# Allegro board 4Layer_Building.brd
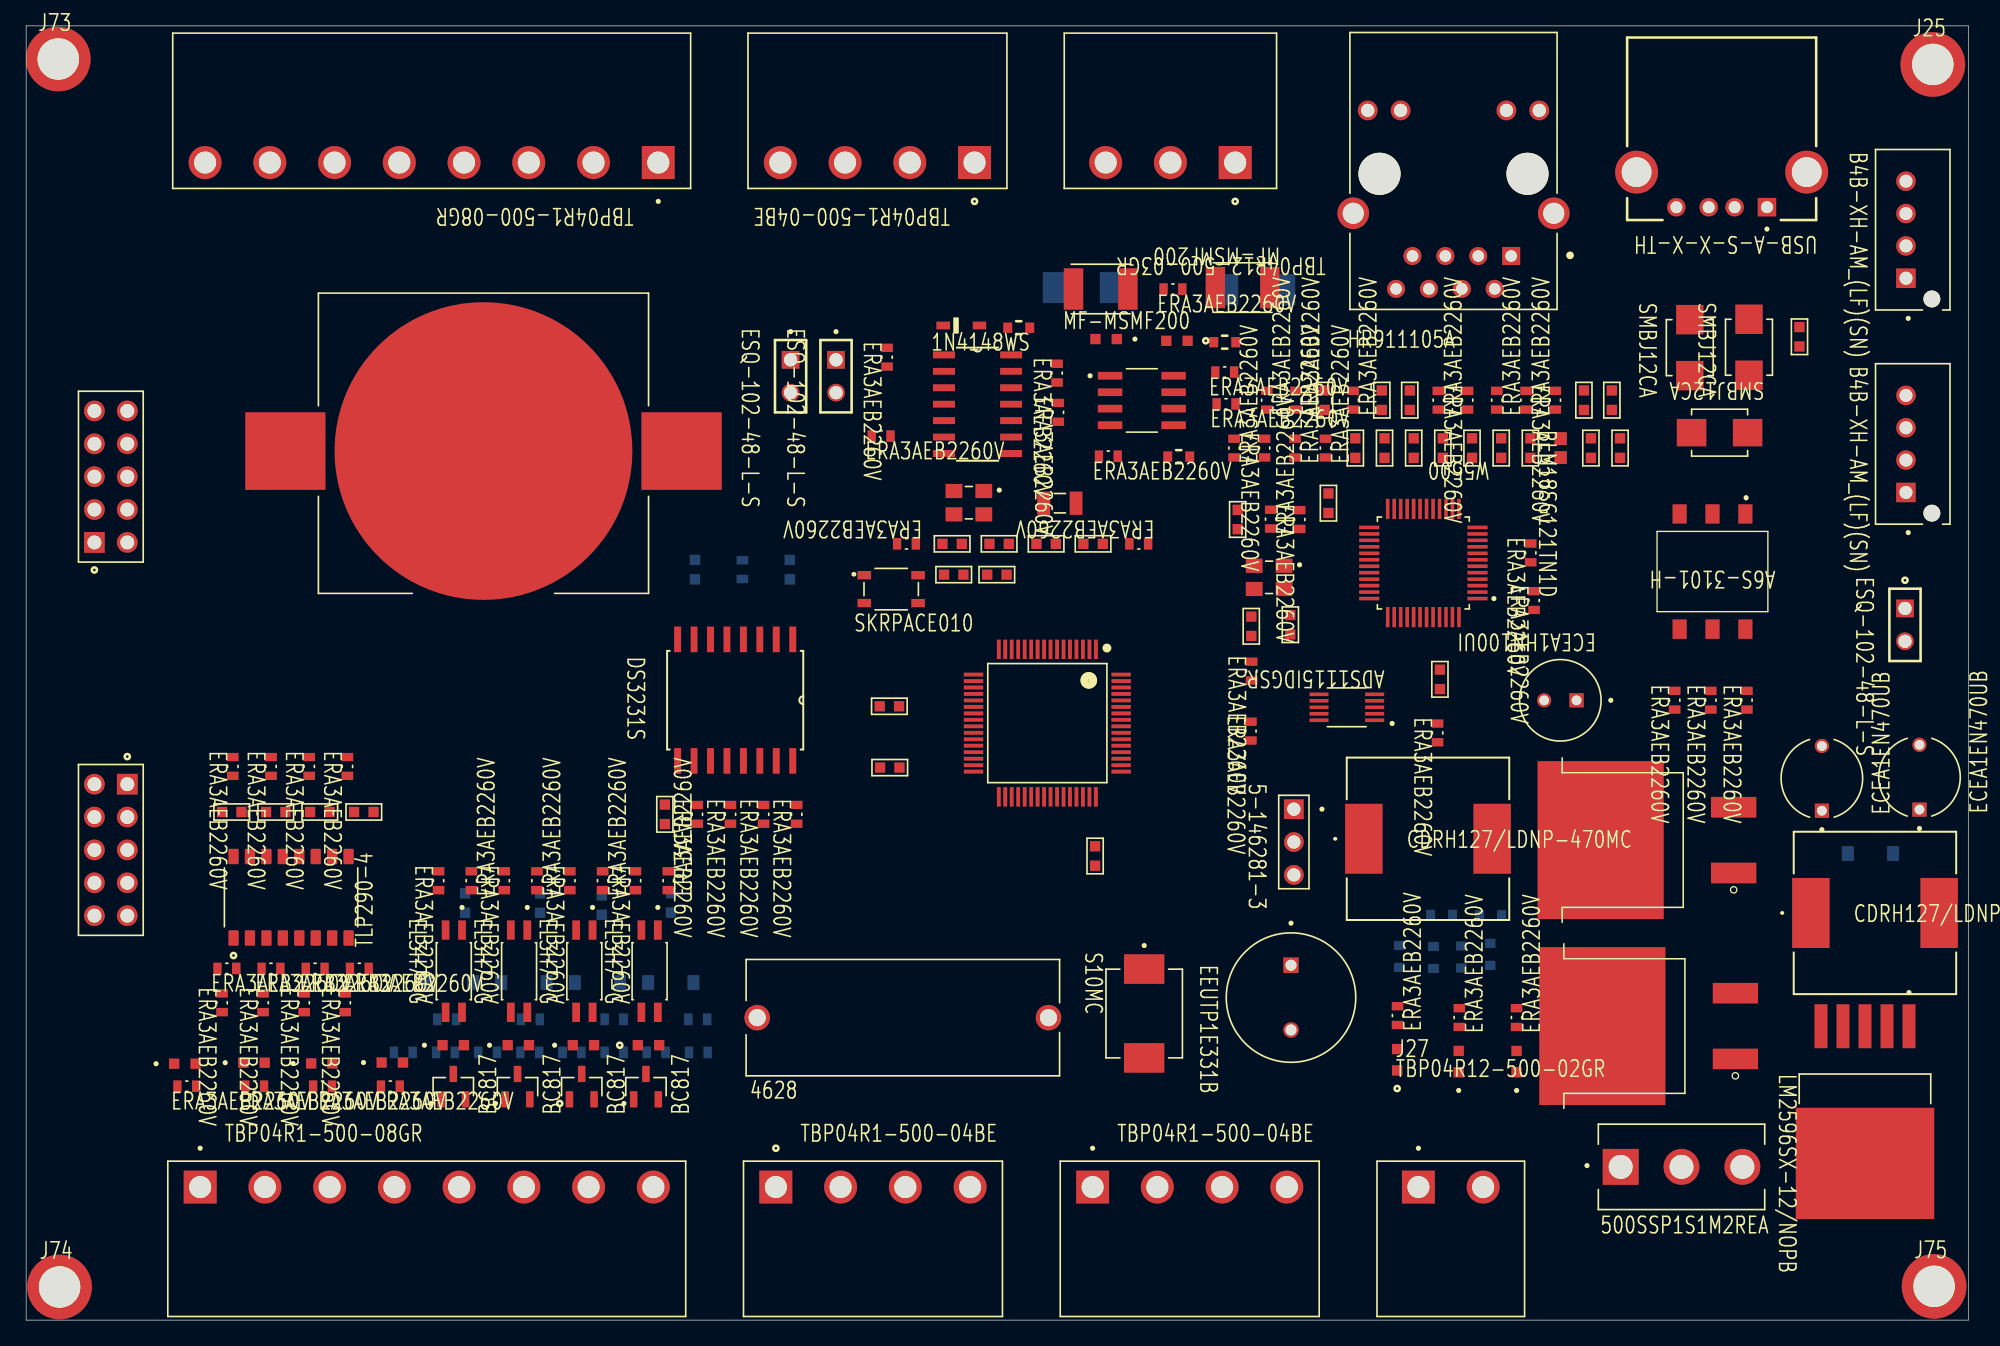
[diagram p0: board, top side]
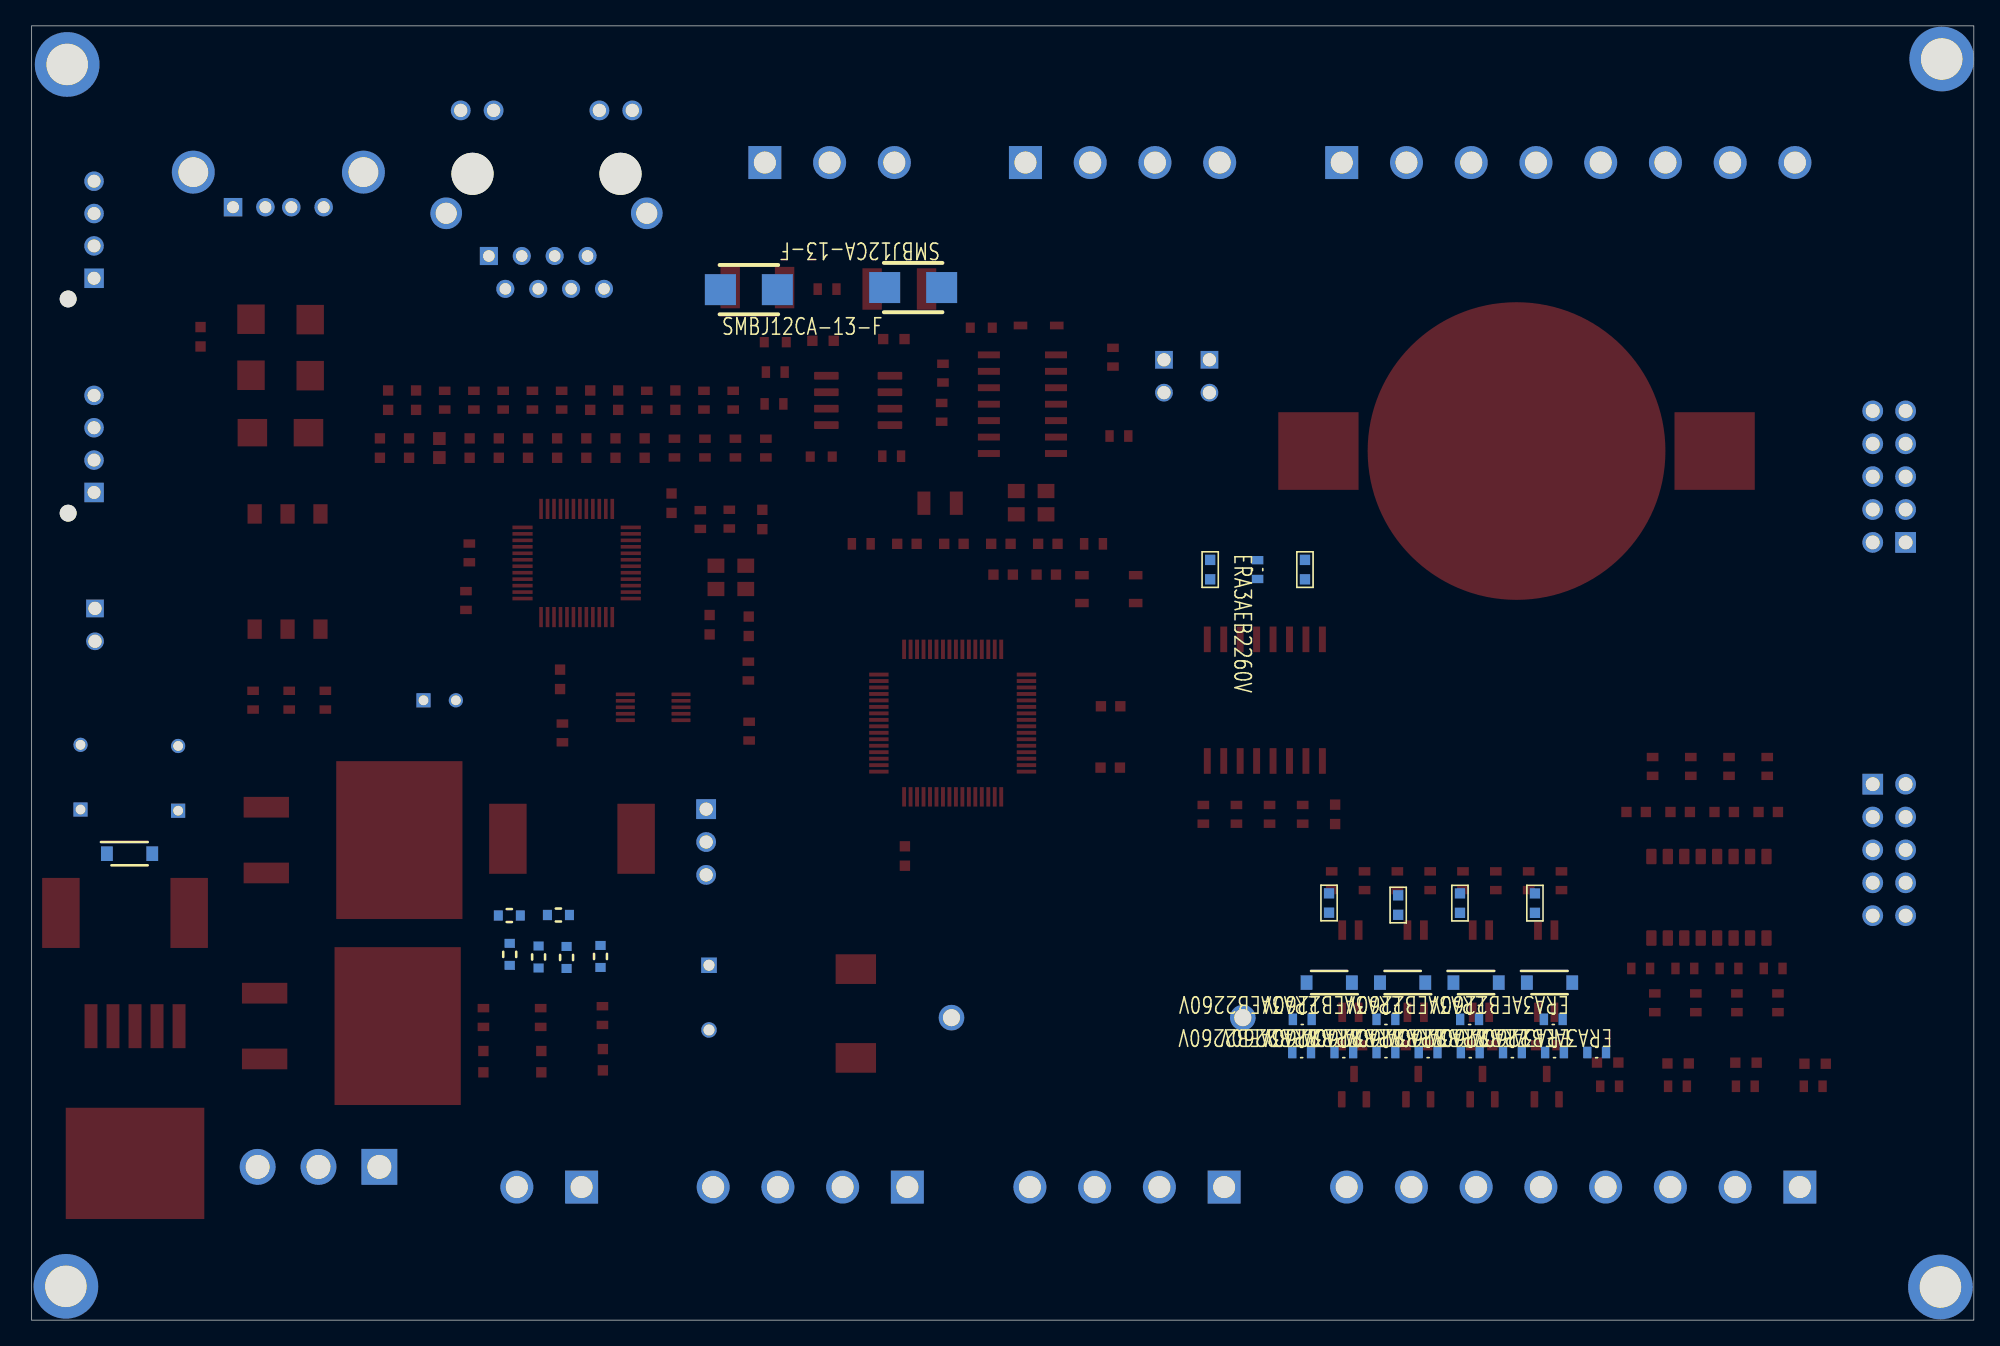
[diagram p1: board, bottom side, seen from below]

Outline 150 x 100 mm; copper layers: TOP, LYR2_GND, LYR3, LYR4, LYR5_PWR, BOTTOM. Coordinates in mm from the lower left corner of the outline.
Outline path: 0,100 0,0 150,0 150,100 0,100

## Design rules (mm)
constraint set DEFAULT: min track width 0.305
nets with their own width: min track width 0.305; nets 5V_MAIN

## Placement (name value [footprint] x y rotation side)
BT1  BAT HOLDER  [BAT_BAT-HLD-006-SMT]  35.32 67.15 0 top
C23  10uF 0603  [WCAP-CSGP_0603_W]  106.07 28.1 90 bottom
C24  220uF/16V  [CAPPRD500W50D630H1120]  138.69 41.86 90 top
C25  10uF 0603  [WCAP-CSGP_0603_W]  108.69 28.02 270 bottom
C30  1 uF 0603  [WCAP-CSGP_0603_W]  110.85 28.06 270 bottom
C31  1 uF 0603  [WCAP-CSGP_0603_W]  113.08 28.26 270 bottom
C51  0603  [CAPC0603X33N]  15.88 39.26 180 top
C52  0603  [CAPC0603X33N]  19.28 39.26 180 top
C53  0603  [CAPC0603X33N]  22.68 39.26 180 top
C54  0603  [CAPC0603X33N]  26.08 39.26 180 top
C59  104  [CAPC0603X33N]  33.9 32.22 90 bottom
C60  104  [CAPC0603X33N]  39.69 32.22 90 bottom
C62  104  [CAPC0603X33N]  58.98 57.99 270 bottom
C63  104  [CAPC0603X33N]  51.66 57.99 270 bottom
C64  4.7uF  [CAPC0603X33N]  120.85 67.38 270 top
C65  10nF  [CAPC0603X33N]  123.1 67.38 90 top
C66  4.7uF  [CAPC0603X33N]  94.62 53.61 270 top
C67  4.7uF  [CAPC0603X33N]  93.57 61.86 270 top
C68  6.8nF  [CAPC0603X33N]  104.7 71.08 270 top
C69  6.8nF  [CAPC0603X33N]  100.29 71.08 90 top
C72  10uF  [CAPC0603X33N]  109.42 67.38 270 top
C73  100nF  [CAPC0603X33N]  107.16 67.38 270 top
C74  100nF  [CAPC0603X33N]  104.91 67.38 270 top
C75  100nF  [CAPC0603X33N]  102.66 67.38 270 top
C76  100nF  [CAPC0603X33N]  111.67 67.38 270 top
C77  100nF  [CAPC0603X33N]  113.92 67.38 270 top
C78  100nF  [CAPC0603X33N]  116.18 67.38 270 top
C79  10nF  [CAPC0603X33N]  122.47 71.08 90 top
C80  22nF  [CAPC0603X33N]  106.86 71.08 90 top
C81  18pF  [CAPC0603X33N]  100.58 63.12 90 top
C82  18pF  [CAPC0603X33N]  97.64 53.73 90 top
C95  10uF  [CAPC0603X33N]  136.96 75.98 270 top
C110  0.1uF  [CAPC0603X33N]  109.19 49.51 270 top
C111  100nF  [CAPC0603X33N]  49.33 39.08 90 top
C141  10uF 16V  [CAPPRD250W50D630H1120]  118.49 47.89 180 top
C142  1nF 2KV  [CAPC0603X33N]  120.31 71.08 270 top
C153  1 uF 0603  [WCAP-CSGP_0603_W]  109.32 31.3 0 bottom
C154  1 uF 0603  [WCAP-CSGP_0603_W]  113.11 31.26 180 bottom
C155  4.7uF  [CAPC0603X33N]  66.67 47.43 180 top
C156  100nF  [CAPC0603X33N]  74.97 57.6 0 top
C160  100nF  [CAPC0603X33N]  71.64 57.6 180 top
C161  20pF  [CAPC0603X33N]  75.15 59.98 180 top
C162  20pF  [CAPC0603X33N]  71.52 59.98 180 top
C163  4.3pF  [CAPC0603X33N]  78.77 59.98 180 top
C164  4.3pF  [CAPC0603X33N]  82.4 59.98 0 top
C165  104  [CAPC0603X33N]  44.46 32.07 90 bottom
C168  104  [CAPC0603X33N]  49.8 32.23 90 bottom
C169  100nF  [CAPC0603X33N]  82.56 35.86 90 top
C170  100nF  [CAPC0603X33N]  66.7 42.69 0 top
C171  10uF 0603  [WCAP-CSGP_0603_W]  92.57 75.56 0 top
C172  0.1uF  [WCAP-CSGP_0603_W]  76.66 76.68 0 top
C173  0.1uF  [WCAP-CSGP_0603_W]  89.02 66.72 0 top
C174  680uF/25V/10x13  [CAPPRD500W60D1000H1600]  97.69 24.92 270 top
C175  220uF/16V  [CAPPRD500W50D630H1120]  146.23 41.95 90 top
D6  1N4007W-T  [SODFL3818X130N]  142.44 36.04 180 bottom
D10  TVS_SMBJ12CA  [DIOM4336X265N]  130.79 68.57 180 top
D11  TVS_SMBJ12CA  [DIOM4336X265N]  133.06 75.17 270 top
D12  TVS_SMBJ12CA  [DIOM4336X265N]  128.49 75.14 270 top
D27  0603  [LED_KP-1608SURCK]  12.26 19.81 0 top
D28  0603  [LED_KP-1608SURCK]  17.6 19.89 0 top
D29  0805  [LED_KP-1608SURCK]  22.84 19.83 0 top
D30  0603  [LED_KP-1608SURCK]  28.28 19.9 0 top
D35  0603  [LED_KP-1608SURCK]  32.98 21.24 0 top
D36  1N4007W-T  [SODFL3818X130N]  32.77 26.08 180 bottom
D37  1N4007W-T  [SODFL3818X130N]  38.44 26.08 180 bottom
D38  0603  [LED_KP-1608SURCK]  38.01 21.24 0 top
D105  0603  [LED_KP-1608SURCK]  115.11 19.97 90 top
D106  0603  [LED_KP-1608SURCK]  105.89 20.12 90 top
D108  0603  [LED_KP-1608SURCK]  110.64 19.97 90 top
D109  1N4007W-T  [SODFL3818X130N]  44.12 26.08 0 bottom
D110  0603  [LED_KP-1608SURCK]  43.04 21.24 0 top
D111  1N4007W-T  [SODFL3818X130N]  49.79 26.08 0 bottom
D112  0603  [LED_KP-1608SURCK]  48.07 21.24 0 top
D115  1N4148  [SODFL2512X100N]  72.23 76.85 0 top
D116  TX LED  [LED_KP-1608SURCK]  88.88 75.67 180 top
D117  RX LED  [LED_KP-1608SURCK]  83.41 75.8 180 top
D118  TVS  [SMB_NOPOL]  81.92 79.78 0 bottom
D119  TVS  [SMB_NOPOL]  94.61 79.62 180 bottom
D121  S10MC  [DIOM6859X262N]  86.35 23.69 270 top
F4  1812  [FUSER_MF-MSMF200]  82.99 79.67 0 top
F5  1812  [FUSER_MF-MSMF200]  93.95 79.78 180 top
F8  4628  [FUSE_4628]  67.71 23.37 0 top
FL4  Ferri Bread  [BEADC1608X65N]  118.51 67.38 270 top
J10  HR911105A  [HANRUN_HR911105A]  110.24 88.57 0 top
J22  5-146281-3  [TE_5-146281-3]  97.91 36.94 270 top
J23  GPIO_12V  [CUI_TBP04R1-500-08GR]  13.44 10.28 0 top
J24  ADC_MCU  [CUI_TBP04R1-500-08GR]  48.82 89.44 180 top
J25  TMS-101-21-G-S  [SAMTEC_TMS-101-21-G-S]  147.26 97.02 0 top
J26  ADC16BIT  [CUI_TBP04R1-500-04BE]  73.25 89.44 180 top
J27  POWER  [CUI_TBP04R12-500-02GR]  107.53 10.28 0 top
J28  RS485  [CUI_TBP04R12-500-03GR]  93.37 89.44 180 top
J62  UART  [CUI_TBP04R1-500-04BE]  82.37 10.28 0 top
J66  USB-A-S-X-X-TH  [SAMTEC_USB-A-S-X-X-TH]  130.95 88.7 180 top
J67  ESQ-102-48-L-S  [SAMTEC_ESQ-102-48-L-S]  59.04 74.2 270 top
J68  ESQ-102-48-L-S  [SAMTEC_ESQ-102-48-L-S]  62.55 74.2 270 top
J69  5V_3V3  [CUI_TBP04R1-500-04BE]  57.9 10.28 0 top
J71  FAN 12V  [SAMTEC_ESQ-102-48-L-S]  145.11 54.99 270 top
J72  LCD 12864  [VALCON_V06-2X5-SV-GF-1]  6.54 65.17 270 top
J73  TMS-101-21-G-S  [SAMTEC_TMS-101-21-G-S]  2.48 97.44 0 top
J74  TMS-101-21-G-S  [SAMTEC_TMS-101-21-G-S]  2.58 2.56 0 top
J75  TMS-101-21-G-S  [SAMTEC_TMS-101-21-G-S]  147.36 2.61 0 top
J76  JTAG  [VALCON_V06-2X5-SV-GF-1]  6.54 36.33 90 top
J77  B4B-XH-AM_LFSN  [JST_B4B-XH-AM_LFSN]  145.71 67.7 270 top
J78  B4B-XH-AM_LFSN  [JST_B4B-XH-AM_LFSN]  145.71 84.25 270 top
L1  33uH  [IND_CDRH127LDNP-470MC_SUM]  142.79 31.46 0 top
L2  33uH  [IND_CDRH127LDNP-470MC_SUM]  108.27 37.19 0 top
Q3  BC817  [SOT95P230X110-3N]  32.99 18.04 90 top
Q4  BC817  [SOT95P230X110-3N]  37.95 18.04 90 top
Q6  BC817  [SOT95P230X110-3N]  42.91 18.04 90 top
Q7  BC817  [SOT95P230X110-3N]  47.87 18.04 90 top
R2  10K  [RESC1508X55N]  94.59 45.51 270 top
R3  10K  [RESC1508X55N]  94.65 50.15 270 top
R4  10K  [RESC1508X55N]  109.01 45.37 270 top
R17  4K7  [RESC1508X55N]  12.41 18.07 0 top
R18  4K7  [RESC1508X55N]  17.65 18.07 0 top
R19  4K7  [RESC1508X55N]  22.89 18.07 0 top
R20  4K7  [RESC1508X55N]  28.13 18.07 0 top
R21  4K7  [RESC1508X55N]  15.96 42.78 270 top
R22  4K7  [RESC1508X55N]  18.91 42.78 270 top
R23  4K7  [RESC1508X55N]  21.86 42.78 270 top
R24  4K7  [RESC1508X55N]  24.81 42.78 270 top
R25  4K3  [RESC1508X55N]  15.13 24.52 270 top
R26  510  [RESC1508X55N]  15.5 27.17 0 top
R27  4K3  [RESC1508X55N]  18.3 24.52 270 top
R28  510  [RESC1508X55N]  18.91 27.17 0 top
R29  4K3  [RESC1508X55N]  21.47 24.52 270 top
R30  510  [RESC1508X55N]  22.32 27.17 0 top
R31  4K3  [RESC1508X55N]  24.64 24.52 270 top
R32  510  [RESC1508X55N]  25.73 27.17 0 top
R49  100  [RESC1508X55N]  34.38 33.95 90 top
R50  1K  [RESC1508X55N]  31.85 33.95 270 top
R51  1K  [RESC1508X55N]  29.13 20.68 0 bottom
R52  4K7  [RESC1508X55N]  32.48 23.24 0 bottom
R53  4K7  [RESC1508X55N]  32.38 20.68 0 bottom
R54  100  [RESC1508X55N]  39.45 33.95 90 top
R55  1K  [RESC1508X55N]  35.64 20.68 0 bottom
R56  1K  [RESC1508X55N]  36.92 33.95 270 top
R57  4K7  [RESC1508X55N]  38.94 23.24 0 bottom
R58  4K7  [RESC1508X55N]  38.89 20.68 0 bottom
R64  10K  [RESC1508X55N]  56.95 39.08 270 top
R67  4K7  [RESC1508X55N]  100.35 67.38 90 top
R68  4K7  [RESC1508X55N]  95.82 71.08 90 top
R69  12K4  [RESC1508X55N]  116.46 55.6 270 top
R70  4K7  [RESC1508X55N]  93.3 67.38 90 top
R71  330  [RESC1508X55N]  98.36 61.86 270 top
R72  330  [RESC1508X55N]  95.65 67.38 270 top
R73  49R9  [RESC1508X55N]  115.85 71.08 90 top
R74  49R9  [RESC1508X55N]  113.59 71.08 90 top
R75  10K  [RESC1508X55N]  109.07 71.08 90 top
R76  33  [RESC1508X55N]  111.33 71.08 270 top
R77  33  [RESC1508X55N]  118.1 71.08 270 top
R78  33  [RESC1508X55N]  102.5 71.08 90 top
R79  33  [RESC1508X55N]  116.2 59.28 270 top
R80  49R9  [RESC1508X55N]  98.08 71.08 90 top
R81  49R9  [RESC1508X55N]  98 67.38 90 top
R82  1M  [RESC1508X55N]  96.12 61.89 90 top
R168  4K7  [RESC1508X55N]  54.39 39.08 270 top
R169  4K7  [RESC1508X55N]  51.84 39.08 270 top
R224  1K5  [RESC1508X55N]  115.11 23.38 90 top
R225  2K2  [RESC1508X55N]  105.92 23.53 90 top
R227  1K5  [RESC1508X55N]  110.69 23.38 90 top
R233  4K7  [RESC1508X55N]  67.99 59.98 180 top
R234  10K  [RESC1508X55N]  85.93 59.98 180 top
R235  4K7  [RESC1508X55N]  132.9 47.9 270 top
R236  4K7  [RESC1508X55N]  130.11 47.9 270 top
R237  4K7  [RESC1508X55N]  127.32 47.9 270 top
R238  100  [RESC1508X55N]  44.52 33.95 90 top
R239  1K  [RESC1508X55N]  42.15 20.68 0 bottom
R240  1K  [RESC1508X55N]  41.99 33.95 270 top
R241  4K7  [RESC1508X55N]  45.41 23.24 0 bottom
R242  4K7  [RESC1508X55N]  45.4 20.68 0 bottom
R243  100  [RESC1508X55N]  49.59 33.95 90 top
R244  1K  [RESC1508X55N]  48.66 20.68 0 bottom
R245  1K  [RESC1508X55N]  47.06 33.95 270 top
R246  4K7  [RESC1508X55N]  51.87 23.24 0 bottom
R247  4K7  [RESC1508X55N]  51.91 20.68 0 bottom
R249  4K7  [RESC1508X55N]  55.32 57.99 270 bottom
R250  10K  [RESC1508X55N]  59.51 39.08 270 top
R253  120  [RESC1508X55N]  88.57 79.66 0 top
R256  53K  [RESC1508X55N]  79.72 70.14 270 top
R257  2K4  [RESC1508X55N]  79.62 73.17 270 top
R258  4K6  [RESC1508X55N]  83.58 66.75 0 top
R259  2K4  [RESC1508X55N]  66.03 68.31 0 top
R260  4K6  [RESC1508X55N]  66.49 74.4 270 top
R261  4K6  [RESC1508X55N]  92.57 73.25 0 top
R262  4K6  [RESC1508X55N]  92.67 70.79 0 top
S4  4.2x3.3mm  [SW_SKRPACE010]  66.81 56.48 0 top
S5  SW  [SW_500SSP1S1M2REA]  127.85 11.84 0 top
S15  DIP2.54  [A6S3104H]  130.24 57.84 180 top
U2  -  [LD1085D2T33R]  125.18 37.09 180 top
U8  TLP290-4  [OPTO_TLP290-4]  20.46 32.67 90 top
U10  EL3H7-G  [SOIC127P700X200-4N]  33.03 26.96 270 top
U11  EL3H7-G  [SOIC127P700X200-4N]  38.07 26.96 270 top
U13  DS3231S  [SOIC127P1032X265-16N]  54.76 47.9 270 top
U14  W5500  [QFP50P900X900X160-48N]  107.91 58.5 180 top
U33  -  [LD1085D2T33R]  125.31 22.72 180 top
U34  STM32F411RET6  [QFP50P1200X1200X160-64N]  78.87 46.13 270 top
U37  EL3H7-G  [SOIC127P700X200-4N]  43.11 26.96 270 top
U38  EL3H7-G  [SOIC127P700X200-4N]  48.15 26.96 270 top
U39  74HC04D  [SOIC127P600X175-14N]  73.48 70.77 0 top
U40  MAX3485EESA+  [SOIC127P600X175-8N]  86.17 71.06 0 top
U44  ADS1115IDGSR  [ADS]  102 47.35 180 top
U45  LM2596SX-12NOPB  [VREG_LM2596SX-12NOPB]  142.02 12.11 270 top
Y6  3225/ Xtal 25Mhz  [XTAL_ECS-250-6-33B2-CTN-TR3]  96 57.39 180 top
Y11  3215 32.768Khz  [3215]  79.84 63.12 180 top
Y12  3225/ Xtal 8Mhz  [XTAL_ECS-250-6-33B2-CTN-TR3]  72.81 63.16 180 top

## Library data of the parts
BT1 = BAT-HLD-006-SMT
C23 C25 C30 C31 C153 C154 C171-C173 = GRM033C71C104KE14J_0
C24 C175 = ECEA1EN470UB_0
C51-C54 C59 C60 C62-C69 C72-C82 C95 C110 C111 C142 C155 C156 C160-C165 C168-C170 = GRM033C71C104KE14J
C141 = ECEA1HN100UI
C174 = EEUFK1V391
D6 D36 D37 D109 D111 = 1N4007W-T
D10-D12 = SMBJ12CA
D27-D30 D35 D38 D105 D106 D108 D110 D112 D116 D117 = KP-1608SURCK
D115 = 1N4148WS
D118 D119 = ZENER_BIDI
D121 = S10MC
F4 F5 = MF-MSMF200
F8 = 4628
FL4 = BLM18SG121TN1D
J10 = HR911105A
J22 = 5-146281-3
J23 J24 = TBP04R1-500-08GR
J25 J73 J74 = TMS-101-21-G-S_2
J26 J62 J69 = TBP04R1-500-04BE
J27 = TBP04R12-500-02GR
J28 = TBP04R12-500-03GR
J66 = USB-A-S-X-X-TH
J67 J68 = ESQ-102-48-L-S_0
J71 = ESQ-102-48-L-S_1
J72 J76 = V06-2X5-SV-GF-1
J75 = TMS-101-21-G-S
J77 J78 = B4B-XH-AM_LFSN
L1 L2 = IND
Q3 Q4 Q6 Q7 = BC817
R2-R4 R17-R32 R49-R58 R64 R67-R82 R168 R169 R224 R225 R227 R233-R247 R249 R250 R253 R256-R262 = 6-1879417-7_0
S4 = SKRPACE010
S5 = 500SSP1S1M2REA
S15 = A6S-3101-H
U2 U33 = LD1085D2T33R
U8 = TLP290-4
U10 U11 U37 U38 = EL3H7-G
U13 = DS3231S
U14 = W5500_0
U34 = STM32F411RET6
U39 = 74HC04D
U40 = MAX3485EESA+
U44 = ADS1115IDGSR
U45 = LM2596SX-12NOPB
Y6 Y12 = ECS-250-6-33B2-CTN-TR3
Y11 = CM7V-T1A-LOW-ESR-32768KHZ-6PF

## Footprints (pads in the part's own frame, mm; a bottom-side part is the same pattern mirrored in y, then rotated)
3215
  rect 1x1.8 smd: 1(-1.25,0) 2(1.25,0)
A6S3104H
  rect 1.1x1.5 smd: 1(-2.54,-4.45) 2(-2.54,4.45) 3(0,-4.45) 4(0,4.45) 5(2.54,-4.45) 6(2.54,4.45)
ADS
  custom 1.47x0.28 smd: 1(-2.15,1) 2(-2.15,0.5) 3(-2.15,0) 4(-2.15,-0.5) 5(-2.15,-1) 6(2.15,-1) 7(2.15,-0.5) 8(2.15,0) 9(2.15,0.5) 10(2.15,1)
BAT_BAT-HLD-006-SMT
  round 23 smd: N(0,0)
  rect 6.2x6 smd: P1(-15.3,0) P2(15.3,0)
BEADC1608X65N
  rect 1x0.97 smd: 1(-0.735,0) 2(0.735,0)
CAPC0603X33N
  rect 0.8x0.8 smd: 1(-0.75,0) 2(0.75,0)
CAPPRD250W50D630H1120
  round 1.1 hole 0.75: N(1.25,0)
  rect 1.1x1.1 hole 0.75: P(-1.25,0)
CAPPRD500W50D630H1120
  round 1.1 hole 0.75: N(2.5,0)
  rect 1.1x1.1 hole 0.75: P(-2.5,0)
CAPPRD500W60D1000H1600
  round 1.2 hole 0.85: N(2.5,0)
  rect 1.2x1.2 hole 0.85: P(-2.5,0)
CUI_TBP04R1-500-04BE
  rect 2.55x2.55 hole 1.7: 1(0,0)
  round 2.55 hole 1.7: 2(5,0) 3(10,0) 4(15,0)
CUI_TBP04R1-500-08GR
  rect 2.55x2.55 hole 1.7: 1(0,0)
  round 2.55 hole 1.7: 2(5,0) 3(10,0) 4(15,0) 5(20,0) 6(25,0) 7(30,0) 8(35,0)
CUI_TBP04R12-500-02GR
  rect 2.55x2.55 hole 1.7: 1(0,0)
  round 2.55 hole 1.7: 2(5,0)
CUI_TBP04R12-500-03GR
  rect 2.55x2.55 hole 1.7: 1(0,0)
  round 2.55 hole 1.7: 2(5,0) 3(10,0)
DIOM4336X265N
  rect 2.28x2.12 smd: 1(-2.165,0) 2(2.165,0)
DIOM6859X262N
  rect 2.29x3.12 smd: A(3.43,0) C(-3.43,0)
FUSE_4628
  round 1.98 hole 1.32: 1(-11.25,0) 2(11.25,0)
FUSER_MF-MSMF200
  rect 1.5x3.2 smd: 1(-2.1,0) 2(2.1,0)
HANRUN_HR911105A
  round 3.25 hole 3.25 unplated: (-5.715,0) (5.715,0)
  rect 1.398x1.398 hole 0.89: 1(4.45,-6.35)
  round 1.398 hole 0.89: 2(3.18,-8.89) 3(1.91,-6.35) 4(0.64,-8.89) 5(-0.63,-6.35) 6(-1.9,-8.89) 7(-3.17,-6.35) 8(-4.44,-8.89)
  round 1.53 hole 1.02: 9(6.625,4.9) 10(4.085,4.9) 11(-4.085,4.9) 12(-6.625,4.9)
  round 2.445 hole 1.63: 15(7.745,-3.05) 16(-7.745,-3.05)
IND_CDRH127LDNP-470MC_SUM
  rect 2.896x5.41 smd: 1(-4.953,0) 2(4.953,0)
JST_B4B-XH-AM_LFSN
  round 1.3 hole 1.3 unplated: (5.35,1.475)
  rect 1.508x1.508 hole 1: 1(3.75,-0.525)
  round 1.508 hole 1: 2(1.25,-0.525) 3(-1.25,-0.525) 4(-3.75,-0.525)
LD1085D2T33R
  rect 3.5x1.6 smd: 1(-6.7,2.54) 2(-6.7,-2.54)
  rect 9.75x12.2 smd: 3(3.575,0)
LED_KP-1608SURCK
  rect 0.8x0.8 smd: 1(0.825,0) 2(-0.825,0)
OPTO_TLP290-4
  custom 1.2x0.8 smd: 1(-3.15,4.445) 2(-3.15,3.175) 3(-3.15,1.905) 4(-3.15,0.635) 5(-3.15,-0.635) 6(-3.15,-1.905) 7(-3.15,-3.175) 8(-3.15,-4.445) 9(3.15,-4.445) 10(3.15,-3.175) 11(3.15,-1.905) 12(3.15,-0.635) 13(3.15,0.635) 14(3.15,1.905) 15(3.15,3.175) 16(3.15,4.445)
QFP50P900X900X160-48N
  rect 1.56x0.28 smd: 1(-4.18,2.75) 2(-4.18,2.25) 3(-4.18,1.75) 4(-4.18,1.25) 5(-4.18,0.75) 6(-4.18,0.25) 7(-4.18,-0.25) 8(-4.18,-0.75) 9(-4.18,-1.25) 10(-4.18,-1.75) 11(-4.18,-2.25) 12(-4.18,-2.75) 25(4.18,-2.75) 26(4.18,-2.25) 27(4.18,-1.75) 28(4.18,-1.25) 29(4.18,-0.75) 30(4.18,-0.25) 31(4.18,0.25) 32(4.18,0.75) 33(4.18,1.25) 34(4.18,1.75) 35(4.18,2.25) 36(4.18,2.75)
  rect 0.28x1.56 smd: 13(-2.75,-4.18) 14(-2.25,-4.18) 15(-1.75,-4.18) 16(-1.25,-4.18) 17(-0.75,-4.18) 18(-0.25,-4.18) 19(0.25,-4.18) 20(0.75,-4.18) 21(1.25,-4.18) 22(1.75,-4.18) 23(2.25,-4.18) 24(2.75,-4.18) 37(2.75,4.18) 38(2.25,4.18) 39(1.75,4.18) 40(1.25,4.18) 41(0.75,4.18) 42(0.25,4.18) 43(-0.25,4.18) 44(-0.75,4.18) 45(-1.25,4.18) 46(-1.75,4.18) 47(-2.25,4.18) 48(-2.75,4.18)
QFP50P1200X1200X160-64N
  rect 1.5x0.3 smd: 1(-5.7,3.75) 2(-5.7,3.25) 3(-5.7,2.75) 4(-5.7,2.25) 5(-5.7,1.75) 6(-5.7,1.25) 7(-5.7,0.75) 8(-5.7,0.25) 9(-5.7,-0.25) 10(-5.7,-0.75) 11(-5.7,-1.25) 12(-5.7,-1.75) 13(-5.7,-2.25) 14(-5.7,-2.75) 15(-5.7,-3.25) 16(-5.7,-3.75) 33(5.7,-3.75) 34(5.7,-3.25) 35(5.7,-2.75) 36(5.7,-2.25) 37(5.7,-1.75) 38(5.7,-1.25) 39(5.7,-0.75) 40(5.7,-0.25) 41(5.7,0.25) 42(5.7,0.75) 43(5.7,1.25) 44(5.7,1.75) 45(5.7,2.25) 46(5.7,2.75) 47(5.7,3.25) 48(5.7,3.75)
  rect 0.3x1.5 smd: 17(-3.75,-5.7) 18(-3.25,-5.7) 19(-2.75,-5.7) 20(-2.25,-5.7) 21(-1.75,-5.7) 22(-1.25,-5.7) 23(-0.75,-5.7) 24(-0.25,-5.7) 25(0.25,-5.7) 26(0.75,-5.7) 27(1.25,-5.7) 28(1.75,-5.7) 29(2.25,-5.7) 30(2.75,-5.7) 31(3.25,-5.7) 32(3.75,-5.7) 49(3.75,5.7) 50(3.25,5.7) 51(2.75,5.7) 52(2.25,5.7) 53(1.75,5.7) 54(1.25,5.7) 55(0.75,5.7) 56(0.25,5.7) 57(-0.25,5.7) 58(-0.75,5.7) 59(-1.25,5.7) 60(-1.75,5.7) 61(-2.25,5.7) 62(-2.75,5.7) 63(-3.25,5.7) 64(-3.75,5.7)
RESC1508X55N
  rect 0.65x0.9 smd: 1(-0.725,0) 2(0.725,0)
SAMTEC_ESQ-102-48-L-S
  rect 1.37x1.37 hole 1.02: 01(0,0)
  round 1.37 hole 1.02: 02(2.54,0)
SAMTEC_TMS-101-21-G-S
  round 5 hole 3.2: 03(0,0)
SAMTEC_USB-A-S-X-X-TH
  rect 1.428x1.428 hole 0.92: 01(-3.5,2.71)
  round 1.428 hole 0.92: 02(-1,2.71) 03(1,2.71) 04(3.5,2.71)
  round 3.316 hole 2.3: S1(-6.57,0) S2(6.57,0)
SMB_NOPOL
  rect 2.4x2.4 smd: A(2.2,0) C(-2.2,0)
SODFL2512X100N
  rect 1.05x0.6 smd: A(1.4,0) C(-1.4,0)
SODFL3818X130N
  rect 0.92x1.13 smd: 1(-1.75,0) 2(1.75,0)
SOIC127P600X175-8N
  custom 1.9x0.6 smd: 1(-2.455,1.905) 2(-2.455,0.635) 3(-2.455,-0.635) 4(-2.455,-1.905) 5(2.455,-1.905) 6(2.455,-0.635) 7(2.455,0.635) 8(2.455,1.905)
SOIC127P600X175-14N
  rect 1.702x0.533 smd: 1(-2.591,3.81) 2(-2.591,2.54) 3(-2.591,1.27) 4(-2.591,0) 5(-2.591,-1.27) 6(-2.591,-2.54) 7(-2.591,-3.81) 8(2.591,-3.81) 9(2.591,-2.54) 10(2.591,-1.27) 11(2.591,0) 12(2.591,1.27) 13(2.591,2.54) 14(2.591,3.81)
SOIC127P700X200-4N
  rect 1.5x0.6 smd: 1(-3.175,0.635) 2(-3.175,-0.635) 3(3.175,-0.635) 4(3.175,0.635)
SOIC127P1032X265-16N
  rect 1.981x0.533 smd: 1(-4.699,4.445) 2(-4.699,3.175) 3(-4.699,1.905) 4(-4.699,0.635) 5(-4.699,-0.635) 6(-4.699,-1.905) 7(-4.699,-3.175) 8(-4.699,-4.445) 9(4.699,-4.445) 10(4.699,-3.175) 11(4.699,-1.905) 12(4.699,-0.635) 13(4.699,0.635) 14(4.699,1.905) 15(4.699,3.175) 16(4.699,4.445)
SOT95P230X110-3N
  custom 1.26x0.59 smd: 1(-0.98,0.95) 2(-0.98,-0.95) 3(0.98,0)
SW_500SSP1S1M2REA
  rect 2.775x2.775 hole 1.85: 1(-4.7,0)
  round 2.775 hole 1.85: 2(0,0) 3(4.7,0)
SW_SKRPACE010
  rect 1.05x0.65 smd: 1(-2.075,1.075) 2(2.075,1.075) 3(-2.075,-1.075) 4(2.075,-1.075)
TE_5-146281-3
  rect 1.53x1.53 hole 1.02: 1(-2.54,0)
  round 1.53 hole 1.02: 2(0,0) 3(2.54,0)
VALCON_V06-2X5-SV-GF-1
  rect 1.605x1.605 hole 1.07: 1(5.08,-1.27)
  round 1.605 hole 1.07: 2(5.08,1.27) 3(2.54,-1.27) 4(2.54,1.27) 5(0,-1.27) 6(0,1.27) 7(-2.54,-1.27) 8(-2.54,1.27) 9(-5.08,-1.27) 10(-5.08,1.27)
VREG_LM2596SX-12NOPB
  rect 3.4x1 smd: 1(-10.6,3.4) 2(-10.6,1.7) 3(-10.6,0) 4(-10.6,-1.7) 5(-10.6,-3.4)
  rect 8.6x10.7 smd: 6(0,0)
WCAP-CSGP_0603_W
  rect 0.7x0.8 smd: 1(-0.85,0) 2(0.85,0)
XTAL_ECS-250-6-33B2-CTN-TR3
  rect 1.3x1.1 smd: 1(-1.15,-0.9) 2(1.15,-0.9) 3(1.15,0.9) 4(-1.15,0.9)

## Nets
3V3: C110.2 R2.1 R3.1 R4.1 U44.8(VDD)
3V3_MCU: C31.2 C175.P J76.7 J76.8 R227.2 U2.3(OUT)
3V3A: C72.2 C73.2 C74.2 C75.2 C76.2 C77.2 C78.2 C141.P FL4.2 R73.1 R74.1 R75.1 U14.4 U14.8 U14.11 U14.15 U14.17 U14.21
3V3D: C62.2 C63.2 C66.1 C67.1 C154.2 C171.1 C173.2 FL4.1 J10.9 J10.12 J69.4 J72.4 R17.1 R18.1 R19.1 R20.1 R21.1 R22.1 R23.1 R24.1 R64.2 R67.2 R68.2 R70.2 R168.2 R169.2 R224.2 R249.2 R250.2 R258.2 R260.1 R262.2 S15.1 S15.3 S15.5 U13.2 U14.28 U33.3(OUT) U39.14(VCC) U40.8(VCC)
5V_MAIN: C24.P C25.2 C30.2 C95.1 C153.2 D10.1 J66.01(VCC) J69.2 J72.1 J78.1 J78.2 J78.3 J78.4 L1.1 R225.2 U2.2 U33.2 U45.4
12V: D36.1(K) D37.1(K) D109.1(K) D111.1(K) D121.C(K) F8.1 J22.1 J71.01 Q3.3 Q4.3 Q6.3 Q7.3 S5.1 U10.4 U11.4 U37.4 U38.4
GND: BT1.N(-) C23.1 C24.N C25.1 C30.1 C31.1 C59.1 C60.1 C62.1 C63.1 C64.1 C65.2 C66.2 C67.2 C72.1 C73.1 C74.1 C75.1 C76.1 C77.1 C78.1 C79.1 C80.1 C81.2 C82.2 C95.2 C110.1 C111.1 C141.N C142.2 C153.1 C154.1 C165.1 C168.1 C171.2 C172.2 C173.1 C174.N C175.N D6.2 D10.2 D11.2 D12.2 D35.2(C) D38.2(C) D105.2(C) D106.2(C) D108.2(C) D110.2(C) D112.2(C) D116.2(C) D117.2(C) D118.A D119.A D121.A J22.3 J28.2 J66.04 J69.1 J69.3 J71.02 J72.2 J76.5 J76.6 J77.1 J77.2 J77.3 J77.4 R52.2 R53.2 R57.2 R58.2 R69.2 R235.2 R236.2 R237.2 R241.2 R242.2 R246.2 R247.2 R261.2 U2.1 U10.2 U11.2 U13.5 U13.6 U13.7 U13.8 U13.9 U13.10 U13.11 U13.12 U13.13 U14.3 U14.9 U14.14 U14.16 U14.19 U14.29 U14.48 U33.1 U37.2 U38.2 U39.7 U40.5 U44.3 U45.3 U45.5 U45.6 Y6.2 Y6.4
GND_692502: C155.1 C156.1 C160.1 C161.1 C162.1 C163.1 C164.1 C169.1 C170.1 R234.2 S4.4 U34.12(VSSA/VREF-) U34.18 U34.31 U34.47 U34.63 Y12.2 Y12.4
VDD: C156.2 C169.2 C170.2 R233.2 U34.1 U34.13 U34.19 U34.32 U34.48 U34.64
VIN: C23.2 C174.P L2.1 U45.1(VIN)
1Y: R257.2 U39.2 U39.11
2A: U39.3 U39.8
3Y: R259.2 U39.6
4A: R258.1 U39.9 U40.1
5Y: D115.C R256.2 U39.10 U40.4
6A: C172.1 D115.A R256.1 U39.13
6Y: U39.12 U40.2 U40.3
30: C81.1 R82.2 U14.30 Y6.1
31: C82.1 R82.1 U14.31(XO) Y6.3(OUT/IN)
A: D118.C(2) F4.1 R253.1 R262.1 U40.6
ACTLED: R71.2 U14.27
ADC1_IN4: J24.5 U34.20
ADC1_IN6: U34.22
ADC1_IN10: J24.1 U34.8
ADC1_IN11: J24.2 U34.9
ADC1_IN12: J24.3 U34.10
ADC1_IN13: J24.4 U34.11
ADC1_IN14: J24.7 U34.24
ADC1_IN15: J24.8 U34.25
ADC1_IN16: J24.6
ADC_ADDR: U34.57 U44.1
ADC_SCL: R2.2 U34.58 U44.10
ADC_SDA: R3.2 U34.59 U44.9
AIN1: J26.2 U44.5
AIN2: J26.3 U44.6
AIN3: J26.4 U44.7
AINO: J26.1 U44.4
B: D119.C(2) F5.1 R253.2 R261.1 U40.7
BEEP: J72.10 U34.41
BOOT0: R234.1 U34.60
BUTTON1: J72.3 U34.50
BUTTON2: J72.5 U34.15
BUTTON3: J72.9 U34.27
CGND: C142.1 J10.8 J10.15 J10.16
ETHERNET_CS: R70.1 U14.32 U34.33
ETHERNET_INTN: R68.1 U14.36 U34.55
ETHERNET_MISO: U14.34 U34.35
ETHERNET_MOSI: U14.35 U34.36
ETHERNET_RTSN: R67.1 U14.37 U34.56
ETHERNET_SCK: U14.33 U34.34
GPIO_INPUT_1: C54.2 D30.2(C) R24.2 U8.10 U34.28
GPIO_INPUT_2: C53.2 D29.2(C) R23.2 U8.12 U34.39
GPIO_INPUT_3: C52.2 D28.2(C) R22.2 U8.14 U34.40
GPIO_INPUT_4: C51.2 D27.2(C) R21.2 U8.16 U34.51
GPIO_OUTPUT_1: C59.2 R49.2 R50.1 U34.52
GPIO_OUTPUT_2: C60.2 R54.2 R56.1 U34.53
GPIO_OUTPUT_3: C165.2 R238.2 R240.1 U34.54
GPIO_OUTPUT_4: C168.2 R243.2 R245.1 U34.2
H_GND: J27.1
I2C2_SCL: R168.1 U13.16 U34.29
I2C2_SDA: R169.1 U13.15 U34.62
INT_DS3231: R64.1 U13.3 U34.26
LINKLED: R72.2 U14.25
N_GPIO_INPUT_1: J23.1 R26.2 U8.2
N_GPIO_INPUT_2: J23.2 R28.2 U8.4
N_GPIO_INPUT_3: J23.3 R30.2 U8.6
N_GPIO_INPUT_4: J23.4 R32.2 U8.8
N_GPIO_OUTPUT_1: D36.2 J23.5 Q3.2(E) R53.1
N_GPIO_OUTPUT_2: D37.2 J23.6 Q4.2(E) R58.1
N_GPIO_OUTPUT_3: D109.2 J23.7 Q6.2(E) R242.1
N_GPIO_OUTPUT_4: D111.2 J23.8 Q7.2(E) R247.1
NRST: C160.2 J76.1 R233.1 S4.1 U34.7
P4: C80.2 J10.4 R75.2
P5: C79.2 J10.5 R80.2 R81.2
PA0: J72.7 U34.14
PA2: J67.02 U34.16
PA3: J68.02 U34.17
PA5: J72.6 U34.21
PA7: J72.8 U34.23
PA9: J62.4 U34.42
PA10: J62.3 U34.43
PA11: D11.1 J66.02 U34.44
PA12: D12.1 J66.03 U34.45
PA13: J76.4 U34.46
PA14: J76.2 U34.49
PB8: R249.1 U13.4(~RST) U34.61
PC6: J62.2 U34.37
PC7: J62.1 U34.38
PC14: C164.2 U34.3 Y11.1
PC15: C163.2 U34.4 Y11.2
PH0: C161.2 U34.5 Y12.1
PH1: C162.2 U34.6 Y12.3(OUT/IN)
PMODE0: R235.1 S15.2 U14.45
PMODE1: R236.1 S15.4 U14.44
PMODE2: R237.1 S15.6(NO_3) U14.43
RD+: C68.1 J10.3
RD-: C69.2 J10.6
RS485_A+: F4.2 J28.3
RS485_B-: F5.2 J28.1
RS485_RX: J67.01 U39.4 U39.5
RS485_TX: J68.01 R260.2 U39.1
RX+: R78.2 U14.6
RX-: R79.2 U14.5
TD+: J10.1 R74.2 R76.1
TD-: J10.2 R73.2 R77.1
TX+: R76.2 U14.2
TX-: R77.2 U14.1
VCAP: C155.2 U34.30
VOUT: D6.1(K) L1.2 U45.2
N561413: C69.1 R79.1 R81.1
N561439: C68.2 R78.1 R80.1
N562363: J10.10 R71.1
N562453: J10.11(YC) R72.1
N562641: R69.1 U14.10
N562707: C64.2 U14.20
N562759: C65.1 U14.22
N588900: R4.2 U44.2
N605674: D105.1 R224.1
N605802: D106.1 R225.1
N634368: J22.2 R25.2 R27.2 R29.2 R31.2
N634464: R25.1 R26.1 U8.1
N634600: D27.1 R17.2
N634616: R27.1 R28.1 U8.3
N634652: C51.1 U8.15
N634776: R29.1 R30.1 U8.5
N634812: C52.1 U8.13
N634928: R31.1 R32.1 U8.7
N634964: C53.1 U8.11
N635092: C54.1 U8.9
N637436: R49.1 U10.1
N637488: R51.2 R52.1 U10.3(E)
N637500: Q3.1 R51.1
N637646: D35.1 R50.2
N637832: R54.1 U11.1
N637892: R55.2 R57.1 U11.3(E)
N637904: Q4.1 R55.1
N637978: D38.1 R56.2
N642891: R238.1 U37.1
N642943: R239.2 R241.1 U37.3(E)
N642955: Q6.1 R239.1
N643101: D110.1 R240.2
N643287: R243.1 U38.1
N643347: R244.2 R246.1 U38.3(E)
N643359: Q7.1 R244.1
N643433: D112.1 R245.2
N652966: BT1.P1 BT1.P2 C111.2 U13.14
N689903: R250.1 U13.1
N749851: F8.2 L2.2
N6057860: D108.1 R227.1
N6347040: D28.1 R18.2
N6348600: D29.1 R19.2
N6350120: D30.1 R20.2
N6478961: J27.2 S5.2
N7023880: D116.1 R257.1
N7029370: D117.1 R259.1

Pads without a net: J10 7; J25 03; J66 S1 S2; J73 03; J74 03; J75 03; J76 3 9 10; S4 2 3; S5 3; U14 7 12 13 18 23 24 26 38 39 40 41 42 46 47
